# KiCad board NS32016-BC.kicad_pcb
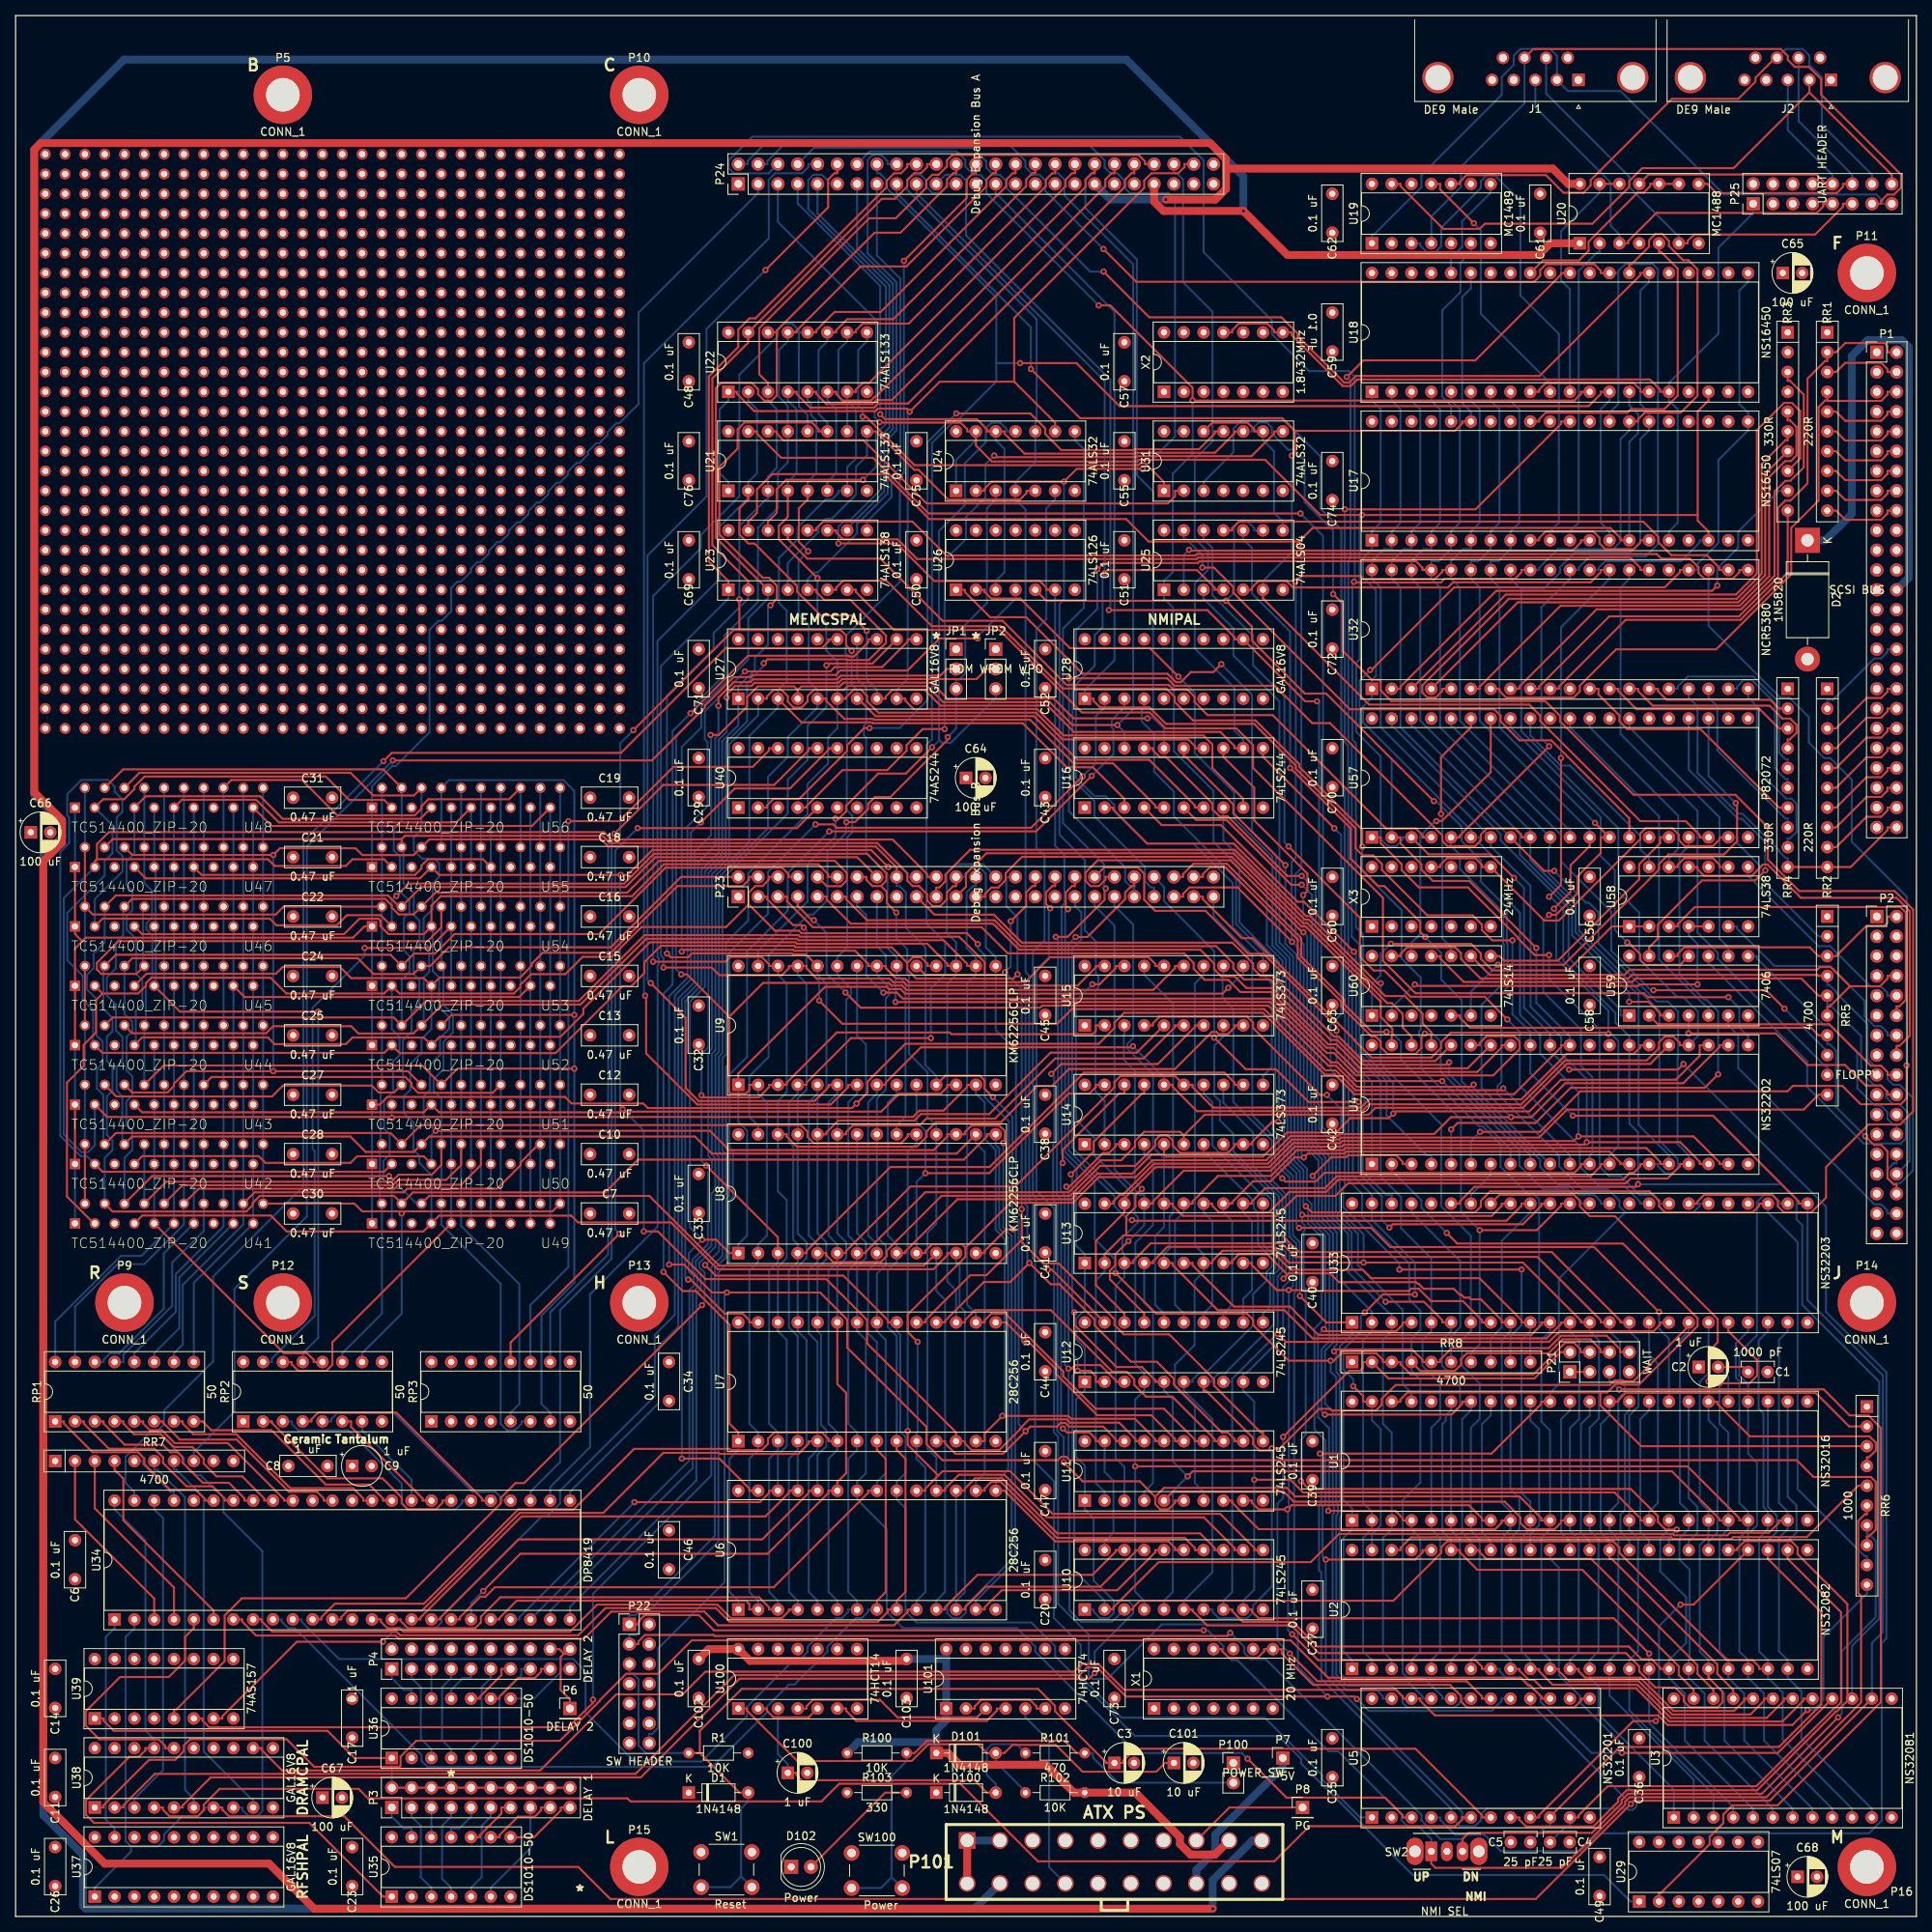
[diagram p0: board, top side]
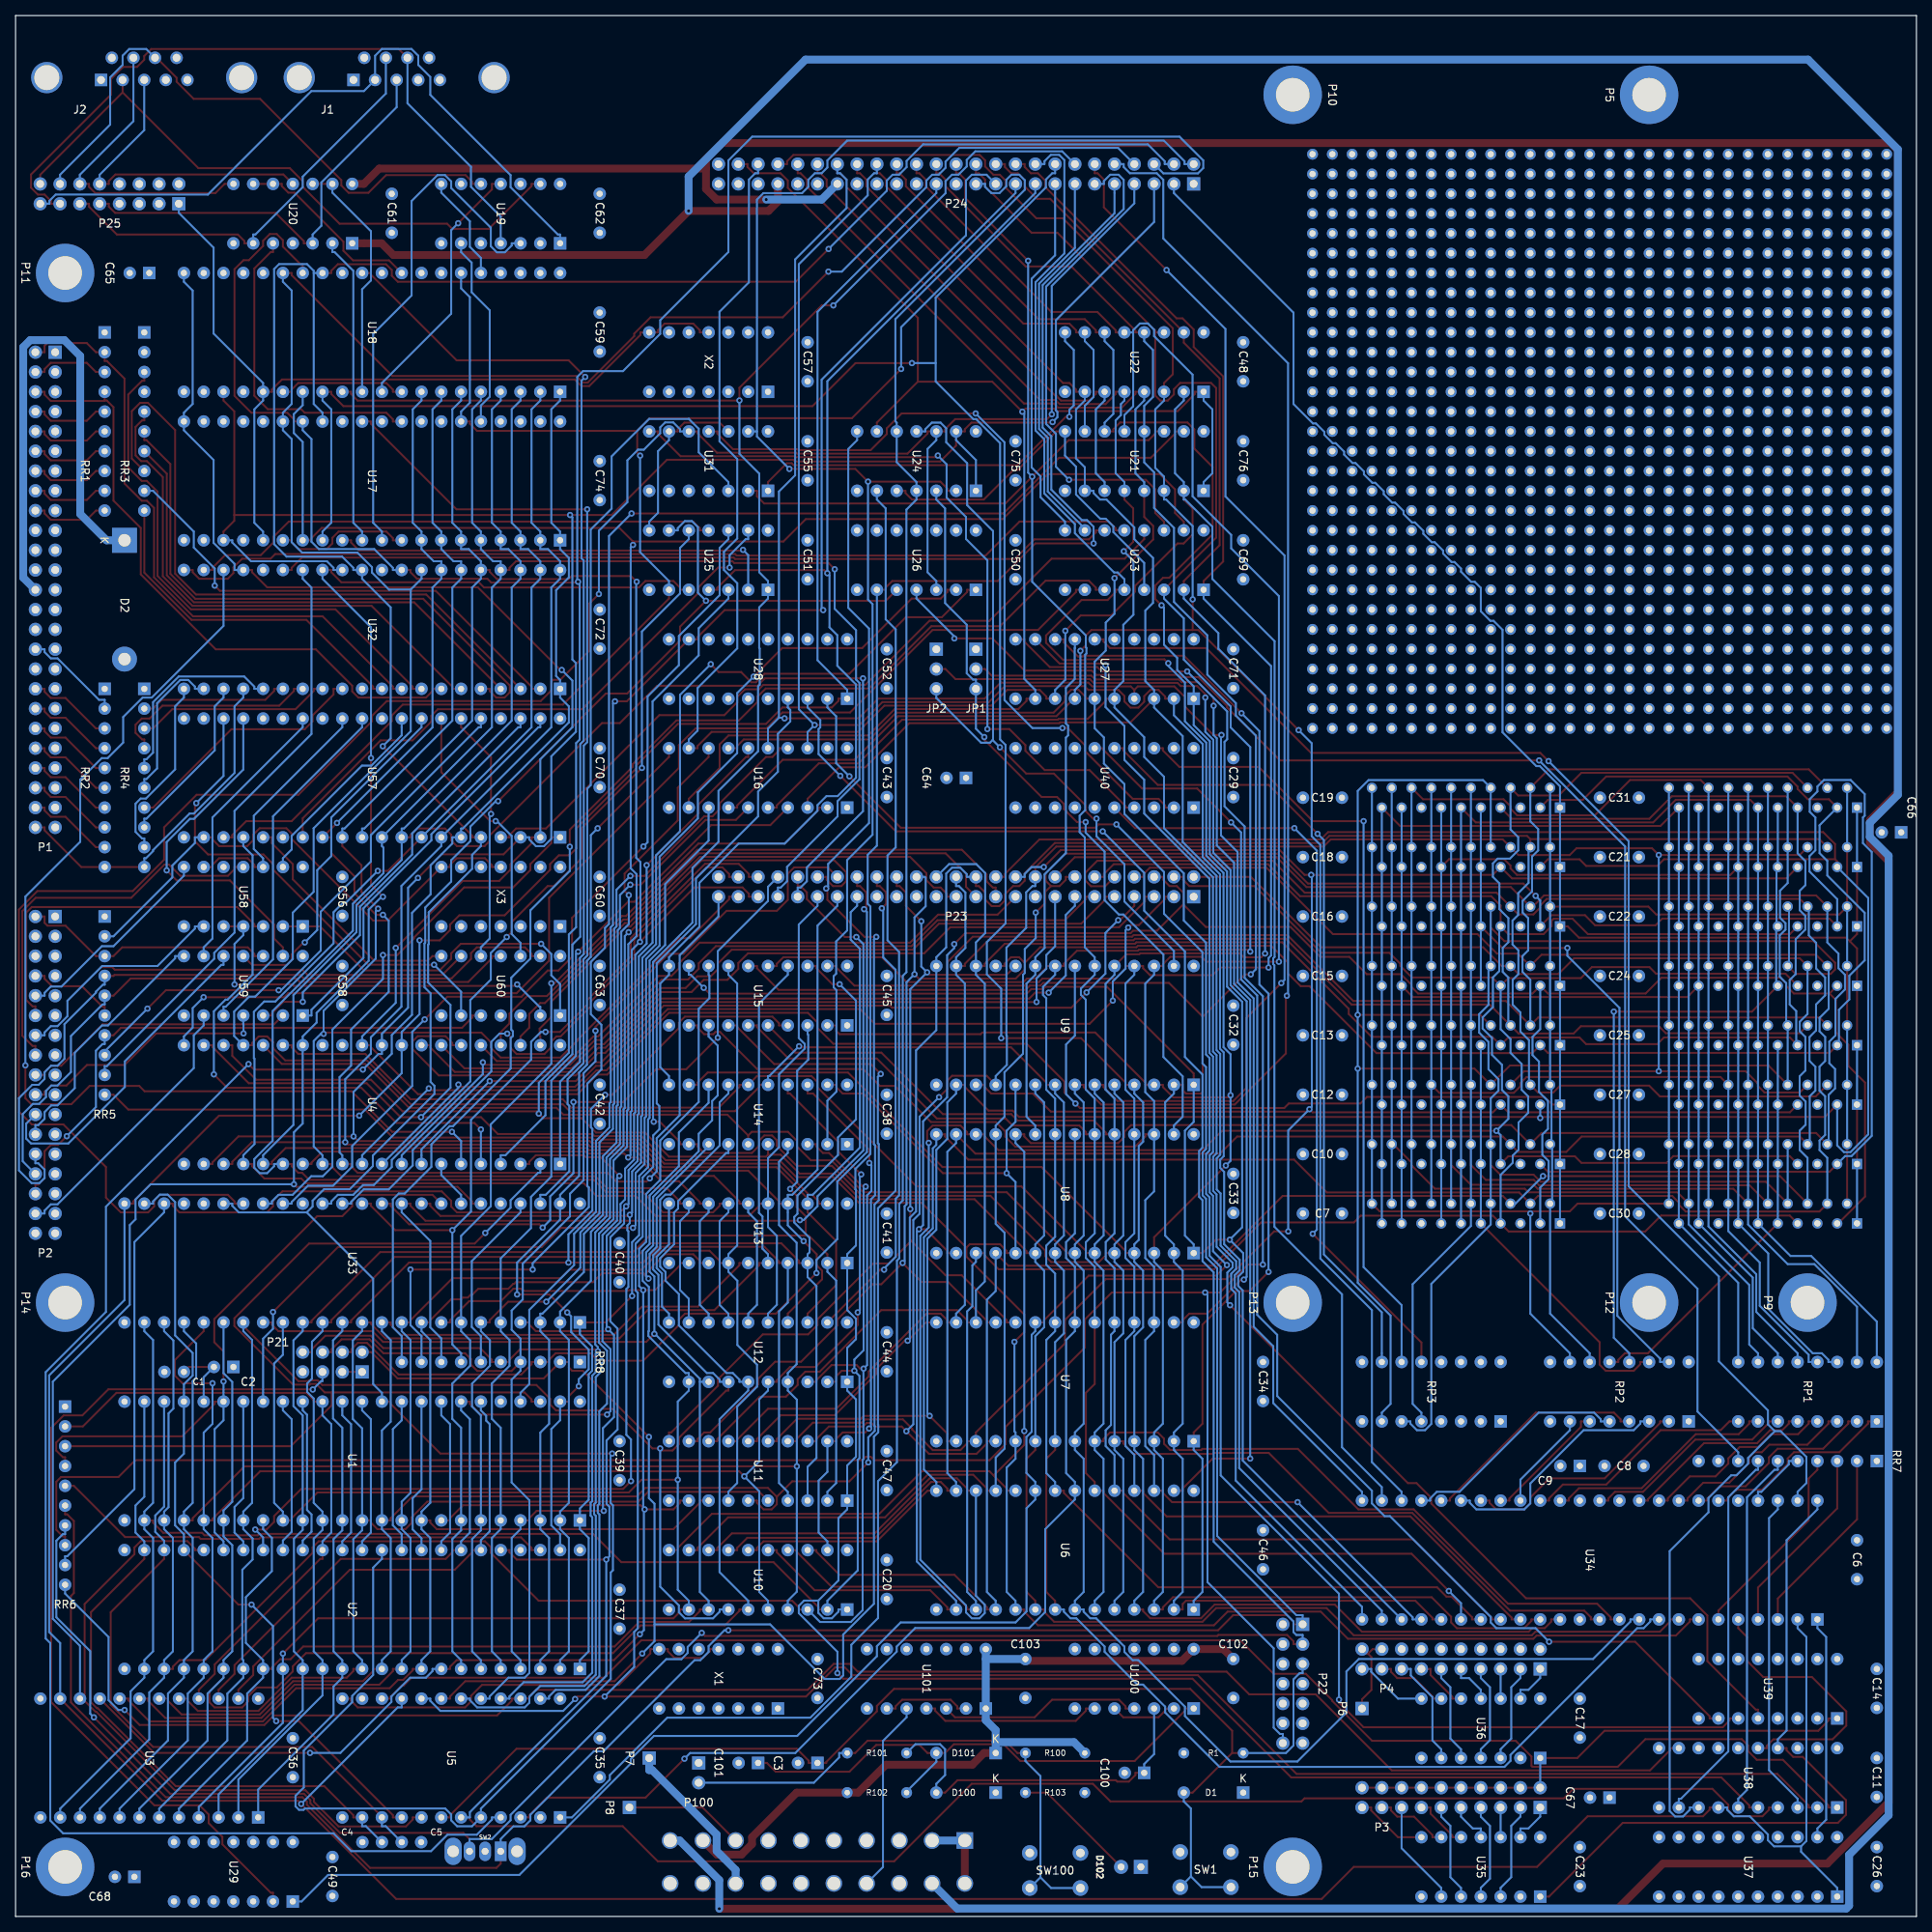
[diagram p1: board, bottom side, seen from below]

Outline 243.84 x 243.84 mm; copper layers: Top, In1.Cu (plane), In2.Cu (plane), Bottom. Coordinates in mm from the lower left corner of the outline.
Outline path: 0,243.84 0,0 243.84,0 243.84,243.84 0,243.84
Stack: Top 0.035mm / dielectric 1.51mm FR4 er 4.5 / In1.Cu 0.035mm / dielectric 1.51mm FR4 er 4.5 / In2.Cu 0.035mm / dielectric 1.51mm FR4 er 4.5 / Bottom 0.035mm

## Placement (name value [footprint] x y rotation side)
C1  1000 pF  [C_Rect_L4.0mm_W2.5mm_P2.50mm]  222.25 69.85 0 top
C2  1 uF  [CP_Radial_D5.0mm_P2.50mm]  215.9 70.48 0 top
C3  10 uF  [CP_Radial_D5.0mm_P2.50mm]  140.97 19.69 0 top
C4  25 pF  [C_Rect_L4.0mm_W2.5mm_P2.50mm]  196.85 9.52 0 top
C5  25 pF  [C_Rect_L4.0mm_W2.5mm_P2.50mm]  194.31 9.52 180 top
C6  0.1 uF  [C_Rect_L7.0mm_W2.5mm_P5.00mm]  7.62 48.26 270 top
C7  0.47 uF  [C_Rect_L7.0mm_W2.5mm_P5.00mm]  73.7 90.17 0 top
C8  1 uF  [C_Rect_L7.0mm_W2.5mm_P5.00mm]  40.01 57.78 180 top
C9  1 uF  [CP_Radial_Tantal_D5.0mm_P2.50mm]  43.18 57.78 0 top
C10  0.47 uF  [C_Rect_L7.0mm_W2.5mm_P5.00mm]  73.7 97.79 0 top
C11  0.1 uF  [C_Rect_L7.0mm_W2.5mm_P5.00mm]  5.08 20.32 270 top
C12  0.47 uF  [C_Rect_L7.0mm_W2.5mm_P5.00mm]  73.7 105.41 0 top
C13  0.47 uF  [C_Rect_L7.0mm_W2.5mm_P5.00mm]  73.7 113.03 0 top
C14  0.1 uF  [C_Rect_L7.0mm_W2.5mm_P5.00mm]  5.08 31.75 270 top
C15  0.47 uF  [C_Rect_L7.0mm_W2.5mm_P5.00mm]  73.7 120.65 0 top
C16  0.47 uF  [C_Rect_L7.0mm_W2.5mm_P5.00mm]  73.7 128.27 0 top
C17  0.1 uF  [C_Rect_L7.0mm_W2.5mm_P5.00mm]  43.18 27.94 270 top
C18  0.47 uF  [C_Rect_L7.0mm_W2.5mm_P5.00mm]  73.7 135.89 0 top
C19  0.47 uF  [C_Rect_L7.0mm_W2.5mm_P5.00mm]  73.7 143.51 0 top
C20  0.1 uF  [C_Rect_L7.0mm_W2.5mm_P5.00mm]  132.08 45.72 270 top
C21  0.47 uF  [C_Rect_L7.0mm_W2.5mm_P5.00mm]  35.6 135.89 0 top
C22  0.47 uF  [C_Rect_L7.0mm_W2.5mm_P5.00mm]  35.6 128.27 0 top
C23  0.1 uF  [C_Rect_L7.0mm_W2.5mm_P5.00mm]  43.18 8.89 270 top
C24  0.47 uF  [C_Rect_L7.0mm_W2.5mm_P5.00mm]  35.6 120.65 0 top
C25  0.47 uF  [C_Rect_L7.0mm_W2.5mm_P5.00mm]  35.6 113.03 0 top
C26  0.1 uF  [C_Rect_L7.0mm_W2.5mm_P5.00mm]  5.08 8.89 270 top
C27  0.47 uF  [C_Rect_L7.0mm_W2.5mm_P5.00mm]  35.6 105.41 0 top
C28  0.47 uF  [C_Rect_L7.0mm_W2.5mm_P5.00mm]  35.6 97.79 0 top
C29  0.1 uF  [C_Rect_L7.0mm_W2.5mm_P5.00mm]  87.63 148.59 270 top
C30  0.47 uF  [C_Rect_L7.0mm_W2.5mm_P5.00mm]  35.6 90.17 0 top
C31  0.47 uF  [C_Rect_L7.0mm_W2.5mm_P5.00mm]  35.6 143.51 0 top
C32  0.1 uF  [C_Rect_L7.0mm_W2.5mm_P5.00mm]  87.63 116.84 270 top
C33  0.1 uF  [C_Rect_L7.0mm_W2.5mm_P5.00mm]  87.63 95.25 270 top
C34  0.1 uF  [C_Rect_L7.0mm_W2.5mm_P5.00mm]  83.82 71.12 270 top
C35  0.1 uF  [C_Rect_L7.0mm_W2.5mm_P5.00mm]  168.91 22.86 270 top
C36  0.1 uF  [C_Rect_L7.0mm_W2.5mm_P5.00mm]  208.28 22.86 270 top
C37  0.1 uF  [C_Rect_L7.0mm_W2.5mm_P5.00mm]  166.37 41.91 270 top
C38  0.1 uF  [C_Rect_L7.0mm_W2.5mm_P5.00mm]  132.08 105.41 270 top
C39  0.1 uF  [C_Rect_L7.0mm_W2.5mm_P5.00mm]  166.37 60.96 270 top
C40  0.1 uF  [C_Rect_L7.0mm_W2.5mm_P5.00mm]  166.37 86.36 270 top
C41  0.1 uF  [C_Rect_L7.0mm_W2.5mm_P5.00mm]  132.08 90.17 270 top
C42  0.1 uF  [C_Rect_L7.0mm_W2.5mm_P5.00mm]  168.91 106.68 270 top
C43  0.1 uF  [C_Rect_L7.0mm_W2.5mm_P5.00mm]  132.08 148.59 270 top
C44  0.1 uF  [C_Rect_L7.0mm_W2.5mm_P5.00mm]  132.08 74.93 270 top
C45  0.1 uF  [C_Rect_L7.0mm_W2.5mm_P5.00mm]  132.08 120.65 270 top
C46  0.1 uF  [C_Rect_L7.0mm_W2.5mm_P5.00mm]  83.82 49.53 270 top
C47  0.1 uF  [C_Rect_L7.0mm_W2.5mm_P5.00mm]  132.08 59.69 270 top
C48  0.1 uF  [C_Rect_L7.0mm_W2.5mm_P5.00mm]  86.36 201.93 270 top
C49  0.1 uF  [C_Rect_L7.0mm_W2.5mm_P5.00mm]  203.2 7.62 270 top
C50  0.1 uF  [C_Rect_L7.0mm_W2.5mm_P5.00mm]  115.57 176.53 270 top
C51  0.1 uF  [C_Rect_L7.0mm_W2.5mm_P5.00mm]  142.24 176.53 270 top
C52  0.1 uF  [C_Rect_L7.0mm_W2.5mm_P5.00mm]  132.08 162.56 270 top
C55  0.1 uF  [C_Rect_L7.0mm_W2.5mm_P5.00mm]  142.24 189.23 270 top
C56  0.1 uF  [C_Rect_L7.0mm_W2.5mm_P5.00mm]  201.93 133.35 270 top
C57  0.1 uF  [C_Rect_L7.0mm_W2.5mm_P5.00mm]  142.24 201.93 270 top
C58  0.1 uF  [C_Rect_L7.0mm_W2.5mm_P5.00mm]  201.93 121.92 270 top
C59  0.1 uF  [C_Rect_L7.0mm_W2.5mm_P5.00mm]  168.91 205.74 270 top
C60  0.1 uF  [C_Rect_L7.0mm_W2.5mm_P5.00mm]  168.91 133.35 270 top
C61  0.1 uF  [C_Rect_L7.0mm_W2.5mm_P5.00mm]  195.58 220.98 270 top
C62  0.1 uF  [C_Rect_L7.0mm_W2.5mm_P5.00mm]  168.91 220.98 270 top
C63  0.1 uF  [C_Rect_L7.0mm_W2.5mm_P5.00mm]  168.91 121.92 270 top
C64  100 uF  [CP_Radial_D5.0mm_P2.50mm]  121.92 146.05 0 top
C65  100 uF  [CP_Radial_D5.0mm_P2.50mm]  226.69 210.82 0 top
C66  100 uF  [CP_Radial_D5.0mm_P2.50mm]  1.95 139.06 0 top
C67  100 uF  [CP_Radial_D5.0mm_P2.50mm]  39.37 15.24 0 top
C68  100 uF  [CP_Radial_D5.0mm_P2.50mm]  228.6 5.08 0 top
C69  0.1 uF  [C_Rect_L7.0mm_W2.5mm_P5.00mm]  86.36 176.53 270 top
C70  0.1 uF  [C_Rect_L7.0mm_W2.5mm_P5.00mm]  168.91 149.86 270 top
C71  0.1 uF  [C_Rect_L7.0mm_W2.5mm_P5.00mm]  87.63 162.56 270 top
C72  0.1 uF  [C_Rect_L7.0mm_W2.5mm_P5.00mm]  168.91 167.64 270 top
C73  0.1 uF  [C_Rect_L7.0mm_W2.5mm_P5.00mm]  140.97 33.02 270 top
C74  0.1 uF  [C_Rect_L7.0mm_W2.5mm_P5.00mm]  168.91 186.69 270 top
C75  0.1 uF  [C_Rect_L7.0mm_W2.5mm_P5.00mm]  115.57 189.23 270 top
C76  0.1 uF  [C_Rect_L7.0mm_W2.5mm_P5.00mm]  86.36 189.23 270 top
C100  1 uF  [CP_Radial_D5.0mm_P2.50mm]  99.06 18.42 0 top
C101  10 uF  [CP_Radial_D5.0mm_P2.50mm]  148.59 19.69 0 top
C102  0.1 uF  [C_Rect_L7.0mm_W2.5mm_P5.00mm]  87.63 33.02 270 top
C103  0.1 uF  [C_Rect_L7.0mm_W2.5mm_P5.00mm]  114.3 33.02 270 top
D1  1N4148  [D_DO-35_SOD27_P7.62mm_Horizontal]  86.36 15.88 0 top
D2  1N5820  [D_DO-201AD_P15.24mm_Horizontal]  229.87 176.53 270 top
D100  1N4148  [D_DO-35_SOD27_P7.62mm_Horizontal]  118.11 15.88 0 top
D101  1N4148  [D_DO-35_SOD27_P7.62mm_Horizontal]  118.11 20.96 0 top
D102  Power  [LED_D5.0mm]  99.49 6.35 0 top
J1  DE9 Male  [DSUB-9_Male_Horizontal_P2.77x2.84mm_EdgePinOffset4.94mm_Housed_MountingHolesOffset7.48mm]  200.5 235.58 180 top
J2  DE9 Male  [DSUB-9_Male_Horizontal_P2.77x2.84mm_EdgePinOffset4.94mm_Housed_MountingHolesOffset7.48mm]  232.88 235.58 180 top
JP1  ROM WPE  [PinHeader_1x03_P2.54mm_Vertical]  120.65 162.56 0 top
JP2  ROM WPO  [PinHeader_1x03_P2.54mm_Vertical]  125.73 162.56 0 top
P1  SCSI BUS  [PinHeader_2x25_P2.54mm_Vertical]  238.76 200.66 0 top
P2  FLOPPY  [PinHeader_2x17_P2.54mm_Vertical]  238.76 128.27 0 top
P3  DELAY 1  [PinHeader_2x10_P2.54mm_Vertical]  48.26 13.97 90 top
P4  DELAY 2  [PinHeader_2x10_P2.54mm_Vertical]  48.26 31.75 90 top
P5  CONN_1  [MountingHole_4.3mm_M4_DIN965_Pad]  34.29 233.68 0 top
P6  DELAY 2  [PinHeader_1x01_P2.54mm_Vertical]  71.12 26.67 0 top
P7  -5V  [PinHeader_1x01_P2.54mm_Vertical]  162.56 20.32 0 top
P8  PG  [PinHeader_1x01_P2.54mm_Vertical]  165.1 13.97 0 top
P9  CONN_1  [MountingHole_4.3mm_M4_DIN965_Pad]  13.97 78.74 0 top
P10  CONN_1  [MountingHole_4.3mm_M4_DIN965_Pad]  80.01 233.68 0 top
P11  CONN_1  [MountingHole_4.3mm_M4_DIN965_Pad]  237.49 210.82 0 top
P12  CONN_1  [MountingHole_4.3mm_M4_DIN965_Pad]  34.29 78.74 0 top
P13  CONN_1  [MountingHole_4.3mm_M4_DIN965_Pad]  80.01 78.74 0 top
P14  CONN_1  [MountingHole_4.3mm_M4_DIN965_Pad]  237.49 78.74 0 top
P15  CONN_1  [MountingHole_4.3mm_M4_DIN965_Pad]  80.01 6.35 0 top
P16  CONN_1  [MountingHole_4.3mm_M4_DIN965_Pad]  237.49 6.35 0 top
P17  CONN_1  [PGA15X15]  21.59 170.18 0 top
P18  CONN_1  [PGA15X15]  59.69 170.18 0 top
P19  CONN_1  [PGA15X15]  21.59 208.28 0 top
P20  CONN_1  [PGA15X15]  59.69 208.28 0 top
P21  WAIT  [PinHeader_2x04_P2.54mm_Vertical]  199.39 69.85 90 top
P22  SW HEADER  [PinHeader_2x07_P2.54mm_Vertical]  78.73 37.47 0 top
P23  Debug Expansion Bus B  [PinHeader_2x25_P2.54mm_Vertical]  92.71 130.81 90 top
P24  Debug Expansion Bus A  [PinHeader_2x25_P2.54mm_Vertical]  92.71 222.25 90 top
P25  UART HEADER  [PinHeader_2x08_P2.54mm_Vertical]  222.9 219.7 90 top
P100  POWER_SW  [PinHeader_1x02_P2.54mm_Vertical]  156.21 19.69 0 top
P101  ATX PS  [ATX_NON_90DEG]  140.97 6.98 0 top
R1  10K  [R_Axial_DIN0204_L3.6mm_D1.6mm_P7.62mm_Horizontal]  86.36 20.96 0 top
R100  10K  [R_Axial_DIN0204_L3.6mm_D1.6mm_P7.62mm_Horizontal]  106.68 20.96 0 top
R101  470  [R_Axial_DIN0204_L3.6mm_D1.6mm_P7.62mm_Horizontal]  129.54 20.96 0 top
R102  10K  [R_Axial_DIN0204_L3.6mm_D1.6mm_P7.62mm_Horizontal]  129.54 15.88 0 top
R103  330  [R_Axial_DIN0204_L3.6mm_D1.6mm_P7.62mm_Horizontal]  106.68 15.88 0 top
RP1  50  [DIP-16_W7.62mm_Socket]  5.08 63.5 90 top
RP2  50  [DIP-16_W7.62mm_Socket]  29.21 63.5 90 top
RP3  50  [DIP-16_W7.62mm_Socket]  53.34 63.5 90 top
RR1  220R  [R_Array_SIP10]  232.41 203.2 270 top
RR2  220R  [R_Array_SIP10]  232.41 157.48 270 top
RR3  330R  [R_Array_SIP10]  227.33 203.2 270 top
RR4  330R  [R_Array_SIP10]  227.33 157.48 270 top
RR5  4700  [R_Array_SIP10]  232.41 128.27 270 top
RR6  1000  [R_Array_SIP10]  237.49 65.4 270 top
RR7  4700  [R_Array_SIP10]  5.08 58.42 0 top
RR8  4700  [R_Array_SIP10]  171.45 71.12 0 top
SW1  Reset  [SW_PUSH_6mm]  87.94 8.25 0 top
SW2  NMI SEL  [SW_CuK_OS102011MA1QN1_SPDT_Angled]  181.61 8.35 0 top
SW100  Power  [SW_PUSH_6mm]  107.24 8.14 0 top
U1  NS32016  [DIP-48_W15.24mm_Socket]  171.45 50.8 90 top
U2  NS32082  [DIP-48_W15.24mm_Socket]  171.45 31.75 90 top
U3  NS32081  [DIP-24_W15.24mm_Socket]  212.72 12.7 90 top
U4  NS32202  [DIP-40_W15.24mm_Socket]  173.99 96.52 90 top
U5  NS32201  [DIP-24_W15.24mm_Socket]  173.99 12.7 90 top
U6  28C256  [DIP-28_W15.24mm_Socket]  92.71 39.37 90 top
U7  28C256  [DIP-28_W15.24mm_Socket]  92.71 60.96 90 top
U8  KM62256CLP  [DIP-28_W15.24mm_Socket]  92.71 85.09 90 top
U9  KM62256CLP  [DIP-28_W15.24mm_Socket]  92.71 106.68 90 top
U10  74LS245  [DIP-20_W7.62mm_Socket]  137.16 39.37 90 top
U11  74LS245  [DIP-20_W7.62mm_Socket]  137.16 53.34 90 top
U12  74LS245  [DIP-20_W7.62mm_Socket]  137.16 68.58 90 top
U13  74LS245  [DIP-20_W7.62mm_Socket]  137.16 83.82 90 top
U14  74LS373  [DIP-20_W7.62mm_Socket]  137.16 99.06 90 top
U15  74LS373  [DIP-20_W7.62mm_Socket]  137.16 114.3 90 top
U16  74LS244  [DIP-20_W7.62mm_Socket]  137.16 142.24 90 top
U17  NS16450  [DIP-40_W15.24mm_Socket]  173.99 176.53 90 top
U18  NS16450  [DIP-40_W15.24mm_Socket]  173.99 195.58 90 top
U19  MC1489  [DIP-14_W7.62mm_Socket]  173.99 214.63 90 top
U20  MC1488  [DIP-14_W7.62mm_Socket]  200.66 214.63 90 top
U21  74ALS133  [DIP-16_W7.62mm_Socket]  91.44 182.88 90 top
U22  74ALS133  [DIP-16_W7.62mm_Socket]  91.44 195.58 90 top
U23  74ALS138  [DIP-16_W7.62mm_Socket]  91.44 170.18 90 top
U24  74ALS32  [DIP-14_W7.62mm_Socket]  120.65 182.88 90 top
U25  74ALS04  [DIP-14_W7.62mm_Socket]  147.32 170.18 90 top
U26  74LS126  [DIP-14_W7.62mm_Socket]  120.65 170.18 90 top
U27  GAL16V8  [DIP-20_W7.62mm_Socket]  92.71 156.21 90 top
U28  GAL16V8  [DIP-20_W7.62mm_Socket]  137.16 156.21 90 top
U29  74LS07  [DIP-14_W7.62mm_Socket]  208.28 1.91 90 top
U31  74ALS32  [DIP-14_W7.62mm_Socket]  147.32 182.88 90 top
U32  NCR5380  [DIP-40_W15.24mm_Socket]  173.99 157.48 90 top
U33  NS32203  [DIP-48_W15.24mm_Socket]  171.45 76.2 90 top
U34  DP8419  [DIP-48_W15.24mm_Socket]  12.7 38.1 90 top
U35  DS1010-50  [DIP-14_W7.62mm_Socket]  48.26 2.54 90 top
U36  DS1010-50  [DIP-14_W7.62mm_Socket]  48.26 20.32 90 top
U37  GAL16V8  [DIP-20_W7.62mm_Socket]  10.16 2.54 90 top
U38  GAL16V8  [DIP-20_W7.62mm_Socket]  10.16 13.97 90 top
U39  74AS157  [DIP-16_W7.62mm_Socket]  10.16 25.4 90 top
U40  74AS244  [DIP-20_W7.62mm_Socket]  92.71 142.24 90 top
U41  TC514400_ZIP-20  [TC14400_ZIP-20]  19.68 90.17 0 top
U42  TC514400_ZIP-20  [TC14400_ZIP-20]  19.68 97.79 0 top
U43  TC514400_ZIP-20  [TC14400_ZIP-20]  19.68 105.41 0 top
U44  TC514400_ZIP-20  [TC14400_ZIP-20]  19.68 113.03 0 top
U45  TC514400_ZIP-20  [TC14400_ZIP-20]  19.68 120.65 0 top
U46  TC514400_ZIP-20  [TC14400_ZIP-20]  19.68 128.27 0 top
U47  TC514400_ZIP-20  [TC14400_ZIP-20]  19.68 135.89 0 top
U48  TC514400_ZIP-20  [TC14400_ZIP-20]  19.68 143.51 0 top
U49  TC514400_ZIP-20  [TC14400_ZIP-20]  57.79 90.17 0 top
U50  TC514400_ZIP-20  [TC14400_ZIP-20]  57.79 97.79 0 top
U51  TC514400_ZIP-20  [TC14400_ZIP-20]  57.79 105.41 0 top
U52  TC514400_ZIP-20  [TC14400_ZIP-20]  57.79 113.03 0 top
U53  TC514400_ZIP-20  [TC14400_ZIP-20]  57.79 120.65 0 top
U54  TC514400_ZIP-20  [TC14400_ZIP-20]  57.79 128.27 0 top
U55  TC514400_ZIP-20  [TC14400_ZIP-20]  57.79 135.89 0 top
U56  TC514400_ZIP-20  [TC14400_ZIP-20]  57.79 143.51 0 top
U57  P82072  [DIP-40_W15.24mm_Socket]  173.99 138.43 90 top
U58  74LS38  [DIP-14_W7.62mm_Socket]  207.01 127 90 top
U59  7406  [DIP-14_W7.62mm_Socket]  207.01 115.57 90 top
U60  74LS14  [DIP-14_W7.62mm_Socket]  173.99 115.57 90 top
U100  74HCT14  [DIP-14_W7.62mm_Socket]  92.71 26.67 90 top
U101  74HCT74  [DIP-14_W7.62mm_Socket]  119.38 26.67 90 top
X1  20 MHz  [DIP-14_W7.62mm_Socket]  146.05 26.67 90 top
X2  1.8432MHz  [DIP-14_W7.62mm_Socket]  147.32 195.58 90 top
X3  24MHz  [DIP-14_W7.62mm_Socket]  173.99 127 90 top

## Footprints (pads in the part's own frame, mm; a bottom-side part is the same pattern mirrored in y, then rotated)
ATX_NON_90DEG
  rect 2.126x2.126 hole 1.699: 1(-18.9,2.751)
  round 2.126 hole 1.699: 2(-18.9,-2.751) 3(-14.699,2.751) 4(-14.699,-2.751) 5(-10.5,2.751) 6(-10.5,-2.751) 7(-6.299,2.751) 8(-6.299,-2.751) 9(-2.101,2.751) 10(-2.101,-2.751) 11(2.101,2.751) 12(2.101,-2.751) 13(6.299,2.751) 14(6.299,-2.751) 15(10.5,2.751) 16(10.5,-2.751) 17(14.699,2.751) 18(14.699,-2.751) 19(18.9,2.751) 20(18.9,-2.751)
C_Rect_L4.0mm_W2.5mm_P2.50mm
  round 1.6 hole 0.8: 1(0,0) 2(2.5,0)
C_Rect_L7.0mm_W2.5mm_P5.00mm
  round 1.6 hole 0.8: 1(0,0) 2(5,0)
CP_Radial_D5.0mm_P2.50mm
  rect 1.6x1.6 hole 0.8: 1(0,0)
  round 1.6 hole 0.8: 2(2.5,0)
CP_Radial_Tantal_D5.0mm_P2.50mm
  rect 1.6x1.6 hole 0.8: 1(0,0)
  round 1.6 hole 0.8: 2(2.5,0)
D_DO-35_SOD27_P7.62mm_Horizontal
  rect 1.6x1.6 hole 0.8: 1(0,0)
  oval 1.6x1.6 hole 0.8: 2(7.62,0)
D_DO-201AD_P15.24mm_Horizontal
  rect 3.2x3.2 hole 1.6: 1(0,0)
  oval 3.2x3.2 hole 1.6: 2(15.24,0)
DIP-14_W7.62mm_Socket
  rect 1.6x1.6 hole 0.8: 1(0,0)
  oval 1.6x1.6 hole 0.8: 2(0,-2.54) 3(0,-5.08) 4(0,-7.62) 5(0,-10.16) 6(0,-12.7) 7(0,-15.24) 8(7.62,-15.24) 9(7.62,-12.7) 10(7.62,-10.16) 11(7.62,-7.62) 12(7.62,-5.08) 13(7.62,-2.54) 14(7.62,0)
DIP-16_W7.62mm_Socket
  rect 1.6x1.6 hole 0.8: 1(0,0)
  oval 1.6x1.6 hole 0.8: 2(0,-2.54) 3(0,-5.08) 4(0,-7.62) 5(0,-10.16) 6(0,-12.7) 7(0,-15.24) 8(0,-17.78) 9(7.62,-17.78) 10(7.62,-15.24) 11(7.62,-12.7) 12(7.62,-10.16) 13(7.62,-7.62) 14(7.62,-5.08) 15(7.62,-2.54) 16(7.62,0)
DIP-20_W7.62mm_Socket
  rect 1.6x1.6 hole 0.8: 1(0,0)
  oval 1.6x1.6 hole 0.8: 2(0,-2.54) 3(0,-5.08) 4(0,-7.62) 5(0,-10.16) 6(0,-12.7) 7(0,-15.24) 8(0,-17.78) 9(0,-20.32) 10(0,-22.86) 11(7.62,-22.86) 12(7.62,-20.32) 13(7.62,-17.78) 14(7.62,-15.24) 15(7.62,-12.7) 16(7.62,-10.16) 17(7.62,-7.62) 18(7.62,-5.08) 19(7.62,-2.54) 20(7.62,0)
DIP-24_W15.24mm_Socket
  rect 1.6x1.6 hole 0.8: 1(0,0)
  oval 1.6x1.6 hole 0.8: 2(0,-2.54) 3(0,-5.08) 4(0,-7.62) 5(0,-10.16) 6(0,-12.7) 7(0,-15.24) 8(0,-17.78) 9(0,-20.32) 10(0,-22.86) 11(0,-25.4) 12(0,-27.94) 13(15.24,-27.94) 14(15.24,-25.4) 15(15.24,-22.86) 16(15.24,-20.32) 17(15.24,-17.78) 18(15.24,-15.24) 19(15.24,-12.7) 20(15.24,-10.16) 21(15.24,-7.62) 22(15.24,-5.08) 23(15.24,-2.54) 24(15.24,0)
DIP-28_W15.24mm_Socket
  rect 1.6x1.6 hole 0.8: 1(0,0)
  oval 1.6x1.6 hole 0.8: 2(0,-2.54) 3(0,-5.08) 4(0,-7.62) 5(0,-10.16) 6(0,-12.7) 7(0,-15.24) 8(0,-17.78) 9(0,-20.32) 10(0,-22.86) 11(0,-25.4) 12(0,-27.94) 13(0,-30.48) 14(0,-33.02) 15(15.24,-33.02) 16(15.24,-30.48) 17(15.24,-27.94) 18(15.24,-25.4) 19(15.24,-22.86) 20(15.24,-20.32) 21(15.24,-17.78) 22(15.24,-15.24) 23(15.24,-12.7) 24(15.24,-10.16) 25(15.24,-7.62) 26(15.24,-5.08) 27(15.24,-2.54) 28(15.24,0)
DIP-40_W15.24mm_Socket
  rect 1.6x1.6 hole 0.8: 1(0,0)
  oval 1.6x1.6 hole 0.8: 2(0,-2.54) 3(0,-5.08) 4(0,-7.62) 5(0,-10.16) 6(0,-12.7) 7(0,-15.24) 8(0,-17.78) 9(0,-20.32) 10(0,-22.86) 11(0,-25.4) 12(0,-27.94) 13(0,-30.48) 14(0,-33.02) 15(0,-35.56) 16(0,-38.1) 17(0,-40.64) 18(0,-43.18) 19(0,-45.72) 20(0,-48.26) 21(15.24,-48.26) 22(15.24,-45.72) 23(15.24,-43.18) 24(15.24,-40.64) 25(15.24,-38.1) 26(15.24,-35.56) 27(15.24,-33.02) 28(15.24,-30.48) 29(15.24,-27.94) 30(15.24,-25.4) 31(15.24,-22.86) 32(15.24,-20.32) 33(15.24,-17.78) 34(15.24,-15.24) 35(15.24,-12.7) 36(15.24,-10.16) 37(15.24,-7.62) 38(15.24,-5.08) 39(15.24,-2.54) 40(15.24,0)
DIP-48_W15.24mm_Socket
  rect 1.6x1.6 hole 0.8: 1(0,0)
  oval 1.6x1.6 hole 0.8: 2(0,-2.54) 3(0,-5.08) 4(0,-7.62) 5(0,-10.16) 6(0,-12.7) 7(0,-15.24) 8(0,-17.78) 9(0,-20.32) 10(0,-22.86) 11(0,-25.4) 12(0,-27.94) 13(0,-30.48) 14(0,-33.02) 15(0,-35.56) 16(0,-38.1) 17(0,-40.64) 18(0,-43.18) 19(0,-45.72) 20(0,-48.26) 21(0,-50.8) 22(0,-53.34) 23(0,-55.88) 24(0,-58.42) 25(15.24,-58.42) 26(15.24,-55.88) 27(15.24,-53.34) 28(15.24,-50.8) 29(15.24,-48.26) 30(15.24,-45.72) 31(15.24,-43.18) 32(15.24,-40.64) 33(15.24,-38.1) 34(15.24,-35.56) 35(15.24,-33.02) 36(15.24,-30.48) 37(15.24,-27.94) 38(15.24,-25.4) 39(15.24,-22.86) 40(15.24,-20.32) 41(15.24,-17.78) 42(15.24,-15.24) 43(15.24,-12.7) 44(15.24,-10.16) 45(15.24,-7.62) 46(15.24,-5.08) 47(15.24,-2.54) 48(15.24,0)
DSUB-9_Male_Horizontal_P2.77x2.84mm_EdgePinOffset4.94mm_Housed_MountingHolesOffset7.48mm
  round 4 hole 3.2: 0(-6.96,-0.3) 0(18.04,-0.3)
  rect 1.6x1.6 hole 1: 1(0,0)
  round 1.6 hole 1: 2(2.77,0) 3(5.54,0) 4(8.31,0) 5(11.08,0) 6(1.385,-2.84) 7(4.155,-2.84) 8(6.925,-2.84) 9(9.695,-2.84)
LED_D5.0mm
  rect 1.8x1.8 hole 0.9: 1(0,0)
  round 1.8 hole 0.9: 2(2.54,0)
MountingHole_4.3mm_M4_DIN965_Pad
  round 7.5 hole 4.3: 1(0,0)
PGA15X15